# Altium PCB HRT_23D_EBS1.1.PcbDoc (part 2 of 2)
Units mil, origin at the board's own origin, x right, y up, seen from the top; angles counter-clockwise.
Board outline 4183.3 x 2955 mil, 2 copper layers (Top Layer, Bottom Layer); 109 components, 72 nets, 350 pads, 163 vias.
Unrouted connection lines stored in the file: 6.
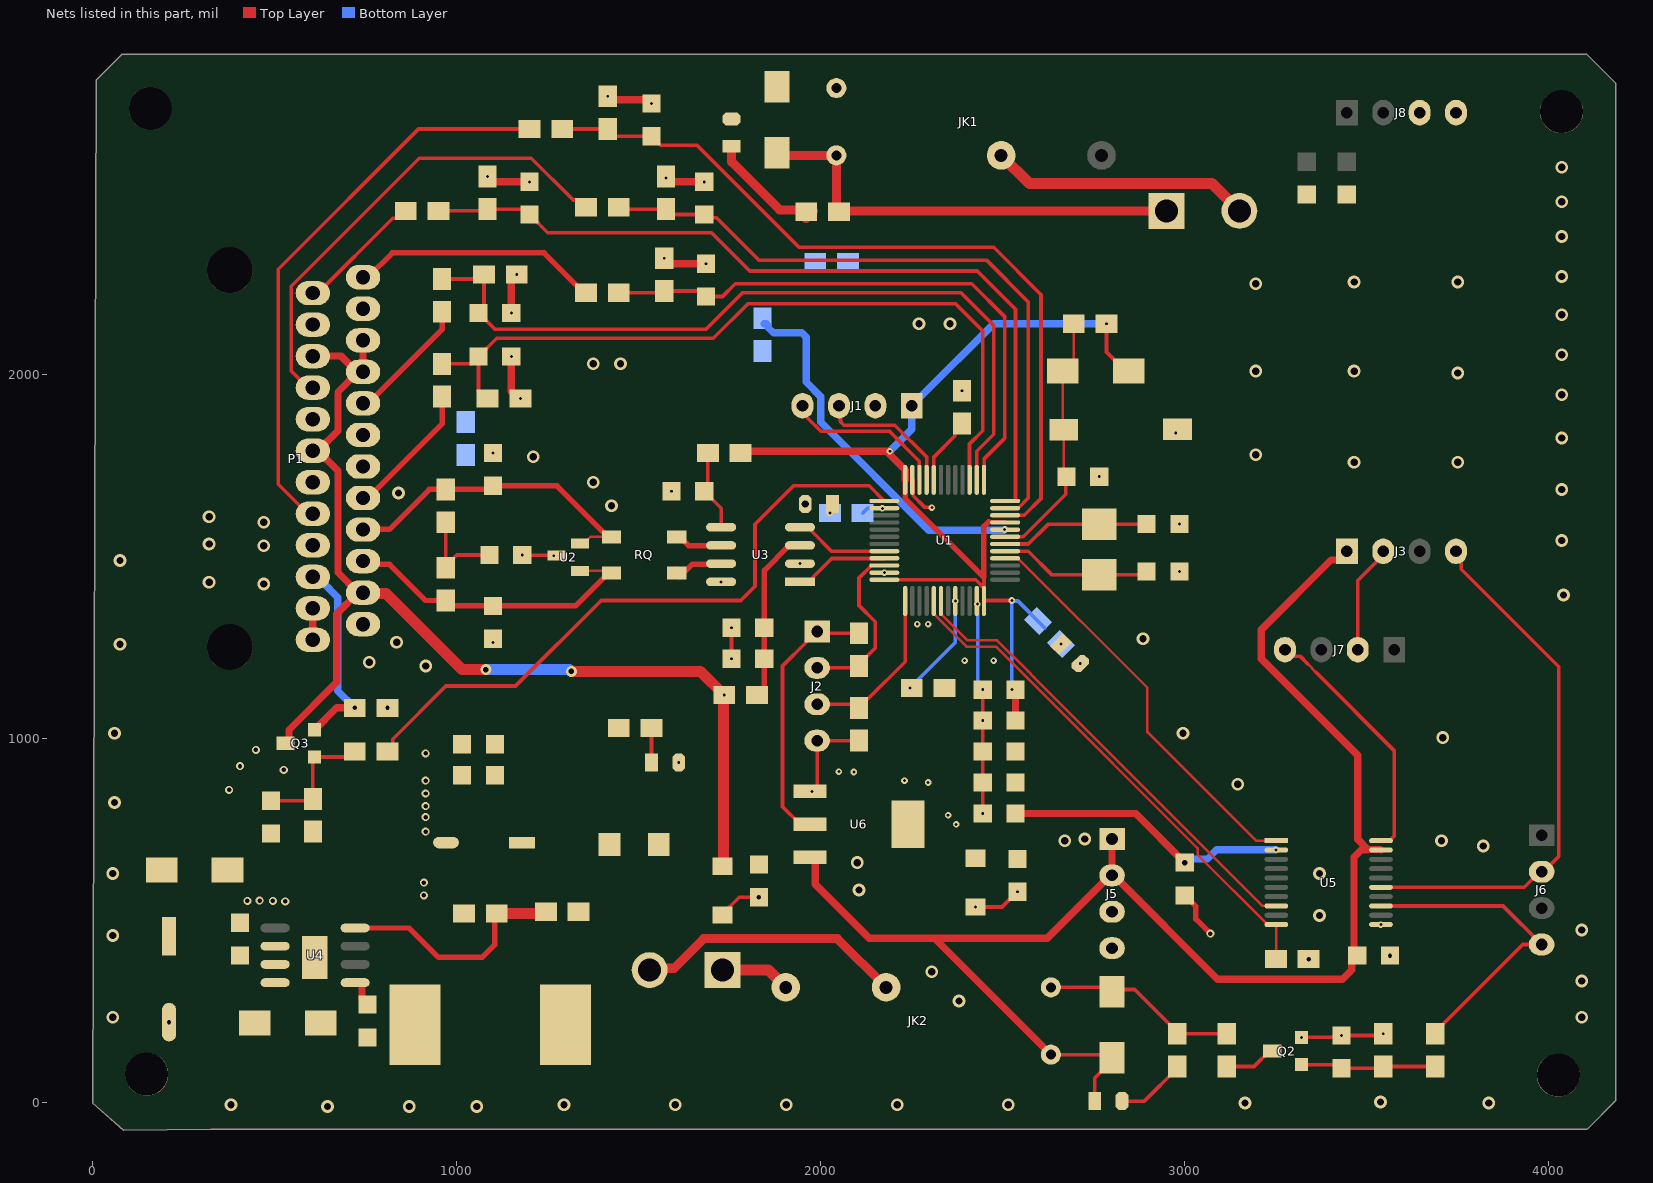
[diagram p2: the nets of this part, all layers, seen from the top]

## Via types
v1: diameter 35, hole 20, Top Layer to Bottom Layer, 74 vias
v2: diameter 18, hole 8, Top Layer to Bottom Layer, 63 vias
v3: diameter 22, hole 12, Top Layer to Bottom Layer, 23 vias
v4: diameter 30, hole 15, Top Layer to Bottom Layer, 3 vias

## Nets (pads, with @x,y where several pads share a name; then routed paths per layer and width w, separated by ;. In a path a pad name is that pad's centre, name@x,y a point inside that pad or via, vN(x,y) a via of type N, cw(c..) or ccw(c..) an arc to the next point about the centre after c; other vN are vias at no path point) (continued)
brake_control2_5V: J3.4 J6.2 U5.15 | length 1478.2
  Top Layer w10: U5.15@3538.74,592.2 3932.24,592.2 3975.04,635 J6.2@3980.04,635 3985.04,635 4027.04,677 4027.04,1197.96 3759.32,1465.68 3759.32,1482.15 3745,1496.47 J3.4@3745,1515
CAN_EXT_H: C14.1 P1.3 R12.2 RQ.4 U2.1 | length 868.2
  Top Layer w7: P1.3@742.83,1488.23 P1.3@751.94,1479.12 ; U2.1@1338.26,1461.4 1419.86,1461.4 RQ.4@1425.47,1455.79 RQ.4@1416.61,1455.79
  Top Layer w15: P1.3@751.94,1479.36 815.68,1479.36 915.04,1380 R12.2@970.04,1380 985.04,1365 1082.53,1365 C14.1@1100.04,1347.49 ; C14.1@1100.04,1365 1325.82,1365 RQ.4@1416.61,1455.79
CAN_EXT_L: C13.1 P1.4 R15.1 RQ.3 U2.2 | length 876
  Top Layer w7: C13.1@1090.04,1685 C13.1@1100.04,1695 ; U2.2@1338.26,1536.2 1349.08,1536.2 1367.88,1555 1415.82,1555 1424.68,1555 RQ.3@1425.47,1554.21
  Top Layer w15: P1.4@742.83,1575.08 815.12,1575.08 925.04,1685 R15.1@970.04,1685 C13.1@1090.04,1685 ; C13.1@1100.04,1695 1275.82,1695 RQ.3@1415.82,1555
CAN_RX_MCU: U1.32 U3.4 | length 261.8
  Top Layer w10: U3.4@1942.97,1581.22 1968.82,1581.22 1975.11,1574.93 1975.11,1569.89 2029.53,1515.47 U1.32@2174.62,1515.47
CAN_TX_MCU: U1.33 U3.1 | length 261.9
  Top Layer w10: U3.1@1942.97,1431.22 1972.5,1431.22 1979.31,1438.03 1979.31,1444.31 2030.47,1495.47 U1.33@2174.62,1495.47
EBS_error_3V3: R33.2 U1.25 | length 1795.6
  Top Layer w10: R33.2@810.04,965 824.18,979.14 824.18,999.14 970.04,1145 1161.85,1145 1396.85,1380 1780.04,1380 1819.5,1419.47 1819.5,1589.5 1925,1695 2132.89,1695 U1.25@2174.62,1653.27
EBS_error_5V: P1.15 Q3.E R37.2 | length 532.5
  Top Layer w10: v3(720.04,1085) R37.2@725.04,1085
  Top Layer w20: Q3.E@610.04,1025 670.04,1085 v3(720.04,1085)
  Bottom Layer w20: P1.15@620.82,1429.83 632.21,1429.83 673.72,1388.31 673.72,1131.31 v3(720.04,1085)
gas1: P1.5 R22.2 | length 376.3
  Top Layer w10: P1.5@742.83,1661.46 P1.5@756.61,1661.46
  Top Layer w15: P1.5@756.61,1661.69 960.04,1865.12 R22.2@960.04,1940
GAS1_ADC: C21.1 R22.1 R29.2 U1.15 | length 2136.4
  Top Layer w10: R22.1@960.04,2030 1040.04,2030 C21.1@1060.04,2050 ; R29.2@1085.04,1935 1080.04,1935 1060.04,1955 C21.1@1060.04,2050 ; U1.15@2408.93,1711.42 2408.93,1747.37 2408.62,1747.69 2408.62,1810.05 2445,1846.43 2445,2120 2370,2195 1800.04,2195 1705.04,2100 1110.04,2100 C21.1@1060.04,2050
gas2: P1.17 R49.2 | length 1567.3
  Top Layer w10: P1.17@605.04,1618.15 591.26,1618.15 510,1699.41 510,2290 895,2675 R49.2@1198.56,2675
GAS2_ADC: C32.1 R49.1 R50.2 U1.10 | length 2187.2
  Top Layer w10: R49.1@1283.93,2675 R50.2@1415,2675 1435,2655 C32.1@1535.01,2654.99 1555.01,2634.99 1555.87,2634.99 1560.86,2630 1660,2630 1940,2350 2475,2350 2605,2220 2605,1660 2559.24,1614.24 2506.8,1614.24 U1.10@2506.45,1613.9
GND: C1.1 C2.1 C3.1 C4.1 C5.1 C6.1 C7.1 C8.1 C9.1 C10.1 C11.1 C12.1 C13.2 C14.2 C15.2 C16.2 C22.2 C24.2 C25.2 C26.2 C27.2 C28.2 C29.2 C30.2 C31.2 D2.1 D5.1 D7.1 E1.2 E2.1 E3.1 E4.2 J1.2 J2.4 J5.3 J5.4 J8.3 J8.4 JK1.1 LED1.2 LED5.2 LED6.2 LED7.2 P1.1 P1.16 pad.1@148.74,78.82 pad.1@4025.76,75.98 pad.1@4034.56,2722.45 Q2.E R1.1 R4.1 R5.1 R30.1 R32.1 R34.1 R36.1 R37.1 R42.1 R43.1 R44.1 S1.2 U1.23 U1.35 U1.47 U2.3 U3.2 U3.8 U4.6 U4.9 U5.11 U6.1 | length 1757.1
  Top Layer w10: v2(1180.04,1505.01) 1181.25,1503.8 U2.3@1274.52,1503.8 ; E2.1@1725.04,516.14 E2.1@1728.97,516.14 ; E2.1@1728.97,518.07 1775.9,565 v3(1830.04,565) ; v2(1755.03,1219.99) v2(1755.03,1304.99) ; U6.1@1970.04,855.55 v2(1976.34,855.55) 1990.04,869.25 J2.4@1990.04,995 R4.1@2105.04,995 ; U1.23@2253.77,1711.42 2253.77,1667.52 2284.76,1636.53 2303.51,1636.53 v2(2305.04,1635) ; v2(2425.04,538.07) 2498.11,538.07 v2(2540.04,580) ; v2(2445.04,795) C3.1@2445.03,879.99 C5.1@2445.03,964.99 v2(2445.03,1049.99) v2(2445.03,1134.99) ; v2(3320.04,180) 3425.04,180 v2(3430.04,185) 3540.04,185 v2(3545.04,190)
  Top Layer w15: C15.2@3000.04,570 3030.04,540 3030.04,505 v3(3070.04,465)
  Bottom Layer w10: v2@2431.57,1371.53 2431.57,1148.46 v2(2445.03,1134.99)
  other v1: 645.04,-10 870.04,-10 1055.04,-10 380.04,-5 1295.04,-5 1600.04,-5 1905.04,-5 2210.04,-5 2515.04,-5 3165.04,-0.18 3835,0 3537.48,2.66 55.04,235 4090,235 2380.04,280 4090.04,335 2305.04,360 55.04,460 4090.04,475 3370.04,515 2105.04,585 55.04,630 3370.04,630 2100.04,660 3820.04,705.5 2670.04,720 3705.04,720 2725.04,725 60.04,825 3145.04,875 3708.38,1003.34 60.04,1015 2995.04,1015 915.04,1200 760.04,1210 75.04,1260 835.04,1265 2885.04,1275 4040,1395 470.04,1425 320.04,1430 75.04,1490 470.04,1530 320.04,1535 4035,1545 470.04,1595 320.04,1610 1425.04,1640 1957.6,1645 840.04,1675 4035,1685 1375.04,1705 3465,1760 3750,1760 1210.04,1775 3195,1780 4035.62,1826.21 4035,1945 3750,2005 3195,2010 3465,2010 1375.04,2030 1450,2030 4035,2055 2270.04,2140 2355.04,2140 4035,2165 3195,2250 3465,2255 3750,2255 4035,2270 4035,2380 4035,2475 4035,2570
  other v2: 3538.74,489.84 2371.79,765.07 2350.04,790 2295.04,880 2230.04,885 2090.89,908.89 2050.04,910 1610.03,934.99 2712.89,1207.11 2395.04,1215 2475.04,1215 1100.05,1264.99 2265.04,1315 2295.04,1315 2430.04,1370 1726.44,1431.22 2174.62,1456.42 2985.04,1460.01 1942.97,1481.22 1266.7,1502.93 2985.04,1590.01 1590.03,1679.99 2765.04,1720.01 1100.03,1785.01 2975.04,1840 2388.35,1956
  other v3: 210,221.89 3340.04,395 3563.51,404.66 529.15,553.61 425.04,555 458.82,555.4 495.04,555 910.04,570 910.04,605 915.04,745 915.04,785 915.04,815 915.04,850 375.04,860 915.04,885 525.04,915 405,925 915.04,960 448.19,969.78 810.04,1085
GND_A: C17.2 C18.2 C19.2 C20.2 C21.2 C32.2 P1.6 P1.7 P1.11 P1.18 P1.20 P1.23 R25.1 R26.1 R27.1 R28.1 R29.1 R42.2 R43.2 R44.2 R50.1 U1.8 | length 1768.5
  Top Layer w20: v2(1085.04,2545) 1100.03,2530.01 v2(1200.03,2530.01) ; v2(1150.04,2050.01) 1150.04,1954.99 1170.04,1935 v2(1175.04,1935) ; v2(1150.04,2170) 1150.04,2260 v2(1165.04,2275) ; R50.1@1417.5,2777.5 1417.5,2767.5 v2(1415,2765) 1425,2755 1525,2755 C32.2@1537,2743 ; v2(1570.04,2320) 1585.04,2305 v2(1685.04,2305) ; v2(1575,2540) R25.1@1575,2545 1590,2530 v2(1680,2530)
  Bottom Layer w10: P1.20@591.26,1877.99 P1.20@605.04,1877.99
  Bottom Layer w20: R43.2@1845,2140 1850,2140 1855,2135 1855,2130 1870,2115 1948.28,2115 1960,2103.28 1960,1980.01 2000.04,1939.97 2000.04,1869.97 2297.04,1572.97 2503.01,1572.97 v2(2505.04,1575)
  other v2: 1535,2745
LB_ADC: C19.1 R20.1 R27.2 U1.12 | length 2255.7
  Top Layer w10: R20.1@950.04,2450 1080.04,2450 R27.2@1085.04,2455 1185.04,2455 C19.1@1200.04,2440 1250.04,2390 1700,2390 1805,2285 2430,2285 2535,2180 2535,1654.1 2534.16,1653.27 U1.12@2506.45,1653.27
LB_oil: P1.24 R20.2 | length 348.4
  Top Layer w10: P1.24@605.04,2224.45 618.82,2224.45 824.37,2430 840.04,2430 R20.2@860.04,2450
LF_ADC: C17.1 R18.1 R25.2 U1.11 | length 1846.5
  Top Layer w10: R18.1@1445,2460 1450,2455 R25.2@1575,2455 1590,2440 C17.1@1680.01,2439.99 1689.15,2430.85 1714.15,2430.85 1830,2315 2455,2315 2570,2200 2570,1661.21 2542.38,1633.58 U1.11@2506.45,1633.58
LF_oil: P1.21 R18.2 | length 1328.9
  Top Layer w10: P1.21@605.04,1964.61 591.26,1964.61 545.79,2010.07 545.79,2243.28 897.51,2595 1205,2595 1320,2480 R18.2@1370.04,2480
MCU_LED: R46.2 U1.26 | length 59.8
  Bottom Layer w10: R46.2@2115,1620 2127.91,1632.91 v2(2169.47,1632.91)
NetC12_2: C12.2 R12.1 R15.2 | length 257.4
  Top Layer w10: R12.1@970.04,1470 R12.1@970.04,1475 ; R15.2@970.04,1595 R12.1@970.04,1475 ; C12.2@1090.04,1505 1000.04,1505 R12.1@970.04,1475
NetC22_1: C22.1 Q2.B R31.1 R32.2 | length 374.2
  Top Layer w10: Q2.B@3320.04,105 3420.04,105 C22.1@3430.04,94.99 3540.03,94.99 R32.2@3545.04,100 R31.1@3688.04,100
NetC23_1: C23.1 U4.1 | length 84.3
  Top Layer w20: U4.1@721.28,330.45 738.19,330.45 740.04,328.6 740.04,285 C23.1@755.04,270
NetC23_2: C23.2 D5.2 L1.1 U4.8
NetC25_1: C25.1 C26.1 E1.1 L1.2 R35.2 R38.2 R51.2
NetC29_1: C29.1 Q3.B R33.1 R36.2 | length 350.4
  Top Layer w10: C29.1@490.03,830.01 600.04,830.01 R36.2@605.04,835 605.04,945 Q3.B@610.04,950 705.04,950 R33.1@720.04,965
NetD4_1: D4.1 JK2.2 R23.2 R24.1 | length 538.5
  Top Layer w10: JK2.2@2632.24,317.52 2788.07,317.52 2794.05,311.54 2862.5,311.54 2979.04,195 R23.2@2979.04,190 R24.1@3115.04,190
NetLED1_1: LED1.1 R7.1 | length 342.9
  Top Layer w25: LED1.1@1755,2627.59 1755,2585 1887.14,2452.86 1955,2452.86 R7.1@1960,2447.86 ; R7.1@1960,2429.35 R7.1@1960,2447.86 ; R7.1@1979.35,2449.35 1977.86,2447.86 R7.1@1960,2447.86
NetLED3_2: LED3.2 R23.1 | length 193.9
  Top Layer w10: LED3.2@2827.43,5 2889.04,5 2979.04,95 R23.1@2979.04,100
NetLED5_1: LED5.1 R45.1
  other v2: 2660,1260
NetLED6_1: LED6.1 R46.1 | length 28.1
  Top Layer w10: v2(2025,1620) 2025,1637.6 LED6.1@2032.4,1645
NetLED7_1: LED7.1 R51.1 | length 95.1
  Top Layer w10: R51.1@1535,1030 1535,935.2 LED7.1@1535.2,935
NetQ2_C: Q2.C R24.2 | length 142.8
  Top Layer w10: R24.2@3115.04,100 3190.04,100 3233.04,143 Q2.C@3240.04,143
NetR1_2: R1.2 U1.20 | length 186.7
  Top Layer w10: U1.20@2310.82,1711.42 2310.82,1774.05 2368.35,1831.58 2368.35,1846 R1.2@2388.35,1866
NetR5_2: R5.2 U1.44 | length 290.2
  Bottom Layer w10: v2(2245.04,1140) 2369.56,1264.53 v2(2369.56,1378.58)
NetR34_2: R34.2 R35.1 U4.4 | length 644.1
  Top Layer w15: U4.4@721.28,480.45 869.59,480.45 950.04,400 1070.04,400 1104.18,434.14 1104.18,514.14 R34.2@1110.04,520
  Top Layer w30: R34.2@1110.04,520 R35.1@1235.47,520
NetRQ_1: RQ.1 U3.7 | length 148.5
  Top Layer w7: RQ.1@1600.04,1470 1609.43,1460.61 1613.86,1456.18 1614.25,1455.79 RQ.1@1613.46,1455.79 ; U3.7@1725.22,1480 U3.7@1726.44,1481.22
  Top Layer w15: RQ.1@1613.46,1445.79 1647.67,1480 U3.7@1725.22,1480
NetRQ_2: RQ.2 U3.6 | length 132.4
  Top Layer w7: RQ.2@1604.6,1554.21 RQ.2@1613.46,1554.21 ; U3.6@1725.22,1530 U3.6@1726.44,1531.22
  Top Layer w15: RQ.2@1613.46,1554.21 1637.67,1530 U3.6@1725.22,1530
OSCIN: C1.2 U1.5 X1.1 | length 418.8
  Top Layer w10: U1.5@2506.45,1515.16 2569.88,1515.16 2633.94,1451.1 X1.1@2765.04,1451.1 2886.14,1451.1 C1.2@2895.04,1460
OSCOUT: C7.2 U1.6 X1.2 | length 411.3
  Top Layer w10: U1.6@2506.45,1535.16 2570.19,1535.16 2623.93,1588.9 X1.2@2765.04,1588.9 2893.93,1588.9 C7.2@2895.04,1590
RB_ADC: C20.1 R21.1 R28.2 U1.14 | length 2186
  Top Layer w10: R21.1@960.04,2263.01 1063.04,2263.01 R28.2@1075.04,2275 1075.04,2185 C20.1@1060.03,2169.99 1105.02,2125 1685.04,2125 1785.04,2225 2385,2225 2475,2135 2475,1836.65 2428.62,1790.27 U1.14@2428.62,1711.73
RB_oil: P1.8 R21.2 | length 377.8
  Top Layer w10: P1.8@742.83,1921.3 P1.8@756.61,1921.3 ; R21.2@940.04,2153.01 R21.2@960.04,2173.01
  Top Layer w15: P1.8@756.61,1921.54 960.04,2124.96 R21.2@960.04,2173.01
RES2-: J9.2 JK1.3 | length 717.6
  Top Layer w30: JK1.3@2495.55,2602.48 2573.03,2525 3075,2525 J9.2@3150,2450
RESET: C8.2 D1.1 R2.1 S1.1 U1.7 | length 699.1
  Top Layer w7: C8.2@2672.9,1717.87 2667.72,1723.05 S1.1@2667.72,1849.21 2665.04,1851.9 D1.1@2665.04,2010 2695.04,2040 R2.1@2695.04,2140
  Top Layer w10: U1.7@2506.45,1554 2513.73,1554 2514.89,1555.16 2556.3,1555.16 2672.9,1671.76 C8.2@2672.9,1717.87
RF_ADC: C18.1 R19.1 R26.2 U1.13 | length 1592
  Top Layer w10: R19.1@1445.04,2225 1565.04,2225 R26.2@1570.04,2230 1670.04,2230 C18.1@1685.04,2214.99 1730.03,2214.99 1765.04,2250 2415,2250 2505,2160 2505,1825.15 2448.62,1768.76 U1.13@2448.62,1711.42
RF_oil: P1.12 R19.2 | length 685.5
  Top Layer w10: P1.12@742.83,2267.76 P1.12@756.61,2267.76 ; R19.2@1350.04,2225 R19.2@1355.04,2225
  Top Layer w15: P1.12@756.61,2267.99 823.62,2335 1240.04,2335 R19.2@1350.04,2225
SC_out: D2.2 J9.1 JK1.2 R7.2 | length 1225.4
  Top Layer w25: D2.2@1880,2609.45 1886.97,2602.48 JK1.2@2042.8,2602.48 2042.8,2450 J9.1@2950,2450
SDC_AS_3V3: U1.42 U5.8 | length 1288.8
  Top Layer w7: U1.42@2330.19,1378.58 2330.19,1343.26 2403.07,1270.38 2484.3,1270.38 2570.18,1184.5 2584.54,1170.15 3213.66,541.02 U5.8@3251.34,541.02
SDC_AS_5V: J6.4 R31.2 U5.13 | length 881.6
  Top Layer w10: U5.13@3538.74,541.02 3874.01,541.02 J6.4@3980.04,435 3975.04,435 3928.04,435 3688.04,195 R31.2@3688.04,190
SDC_IN: J4.2 JK2.3 | length 740.6
  Top Layer w20: J4.2@1530.04,365 J4.2@1534.99,369.96
  Top Layer w25: J4.2@1534.99,369.96 1597.1,369.96 1678.43,451.29 2045.72,451.29 JK2.3@2179.49,317.52
SDC_OUT: J4.1 JK2.4 | length 193.5
  Top Layer w30: J4.1@1730.04,365 1856.41,365 JK2.4@1903.89,317.52
shutdown_circuit_5V: J3.2 J7.2 | length 299
  Top Layer w10: J7.2@3475.04,1245 3475.04,1435.04 3545,1505 J3.2@3545,1515
SWCLK: J2.3 R4.2 U1.37 | length 468.1
  Top Layer w10: J2.3@1990.04,1095 2095.04,1095 R4.2@2105.04,1085 2105.04,1090 2125.04,1110 2130.04,1110 2231.77,1211.73 U1.37@2231.77,1378.58
SWDIO: J2.2 R3.1 U1.34 | length 443.4
  Top Layer w10: J2.2@1990.04,1195 2100.04,1195 R3.1@2105.04,1200 2105.04,1205 2149.66,1249.62 2149.66,1321.59 2105.04,1366.21 2105.04,1441.88 U1.34@2138.63,1475.47
TXS_Control: R30.2 U1.41 U5.10 | length 1434
  Top Layer w7: U1.41@2310.51,1378.58 2310.51,1343.15 2400.37,1253.29 2481.6,1253.29 2570.54,1164.35 2570.54,1163.81 3035.53,698.82 3035.53,681.06 3226.74,489.84 U5.10@3251.34,489.84 R30.2@3251.34,396.3
USART3_RX: J1.4 U1.22 | length 438
  Top Layer w10: J1.4@1942.75,1902.25 1944.25,1902.25 1964.34,1882.17 1964.34,1880.66 2000.43,1844.57 2188.8,1844.57 2270.82,1762.55 U1.22@2270.82,1711.42
USART3_TX: J1.3 U1.21 | length 385.3
  Top Layer w10: J1.3@2050.04,1915 2054.14,1910.89 2054.14,1870.86 2063.43,1861.57 2203.43,1861.57 2290.82,1774.18 U1.21@2290.82,1711.42
VCC_3V3: C2.2 C3.2 C4.2 C5.2 C6.2 C15.1 C28.1 D1.2 E3.2 J1.1 J2.1 R2.2 R3.2 R16.1 R45.2 U1.9 U1.24 U1.36 U1.48 U5.2 U6.2 | length 4353.1
  Top Layer w10: U6.2@1970.04,765 1943.46,765 1895.04,813.43 1895.04,1200 1960.04,1265 1960.04,1270 1985.04,1295 J2.1@1990.04,1295 1995.04,1290 R3.2@2105.04,1290 ; U1.36@2210.04,1436.73 2425.59,1436.73 2448.3,1414.02 2448.3,1443.37 ; U1.48@2449.73,1380 v2(2525.04,1380) ; 2461.04,1596 U1.9@2506.45,1596 ; v2(2785.04,2140) 2785.04,2062.24 2837.28,2010 D1.2@2846.14,2010
  Top Layer w15: U1.24@2231.77,1711.42 2231.77,1659.9 2448.3,1443.37 2448.3,1583.27 2461.04,1596
  Top Layer w20: R16.1@1780.04,1785 1784.89,1789.85 v2(2189.89,1789.85) ; v2@2185.43,1785 2231.77,1738.66 U1.24@2231.77,1711.42 ; C6.2@2535.04,795.01 2745.03,795.01 2865.04,795 v4(3000.03,660.01) ; C2.2@2535.04,1050 C4.2@2535.04,1135
  Bottom Layer w10: v2(2525.04,1135) v2(2525.04,1380) 2526.57,1378.47 2541.53,1378.47 R45.2@2615.46,1304.54
  Bottom Layer w20: v2(2189.89,1789.85) 2250.04,1850 J1.1@2250.04,1915 2250.04,1920 2270.04,1940 2275.04,1940 2475.04,2140 v2(2785.04,2140) ; 2985.33,672 2995.41,661.92 2997.32,661.92 3000.03,664.63 3002.74,661.92 3004.65,661.92 3012.74,670.01 3062.21,670.01 3087.2,695 v2(3250.04,695)
VCC_3V3_CAN: C11.2 R16.2 U3.5 | length 227.1
  Top Layer w10: R16.2@1690.04,1785 1690.04,1690 C11.2@1680.04,1680 1726.44,1633.6 U3.5@1726.44,1581.22
VCC_5V: C16.1 C27.1 D4.2 E2.2 J3.1 J5.1 J5.2 JK2.1 LED3.1 P1.2 P1.9 P1.10 P1.19 P1.22 Q3.C R17.1 R38.1 U5.19 U6.3 | length 7235
  Top Layer w10: P1.2@729.05,1401.61 P1.2@742.83,1401.61 ; E2.2@1721.1,650 E2.2@1732.54,661.44 ; U6.3@1943.46,674.45 U6.3@1970.04,674.45 ; JK2.1@2632.24,132.48 2792.01,132.48 2796.02,128.46 2796.02,111.57 2752.63,68.18 LED3.1@2752.63,5
  Top Layer w15: C16.1@3464.6,413.56 C16.1@3473.51,404.65
  Top Layer w20: Q3.C@530.04,988 531.25,988 539.25,996 539.25,1024.21 670.97,1155.93 670.97,1343.77 P1.2@729.05,1401.85 ; P1.19@605.04,1791.38 P1.19@618.82,1791.38 ; P1.22@605.04,2051.22 682.61,2051.22 725.91,2007.91 P1.9@729.05,2007.91 ; P1.2@729.05,1401.61 673.93,1456.73 673.93,1736.26 P1.19@618.82,1791.38 ; P1.10@742.83,2094.53 P1.9@742.83,2007.91 P1.9@729.05,2007.91 ; U6.3@1985.04,665.75 1976.34,674.45 U6.3@1970.04,674.45 1985.04,659.45 1985.04,600.27 2133.25,452.05 2312.67,452.05 ; JK2.1@2632.24,132.48 2312.67,452.05 ; J5.1@2800.04,725 J5.2@2800.04,625 ; J3.1@3445,1515 3445,1511.29 3425,1491.29 3401.29,1491.29 3210,1300 3210,1220 3475,955 3475,724.52 3503.25,696.27 3537.04,696.27 U5.19@3538.74,694.57 ; C16.1@3464.6,413.56 3464.6,674.6 3484.57,694.57 3503.25,694.57 ; C16.1@3473.51,404.65 3458.51,389.65 3458.51,365.19 3433.32,340 3090.04,340 2805.04,625 J5.2@2800.04,625 ; P1.19@618.82,1791.38 673.93,1846.5 673.93,1952.8 P1.9@729.05,2007.91 ; 2312.67,452.05 2622.09,452.05 2795.04,625 J5.2@2800.04,625
  Top Layer w30: P1.2@745.15,1399.54 805.5,1399.54 1015.04,1190 v4(1080.04,1190) ; v4(1315.04,1185) 1670.04,1185 v2(1735.04,1120) 1732.54,1117.5 1732.54,661.44 1732.54,652.5 E2.2@1730.04,650
  Bottom Layer w30: P1.2@742.83,1401.85 P1.2@745.15,1399.54 ; v4(1080.04,1190) 1310.04,1190 v4(1315.04,1185)
VCC_5V_CAN: C9.2 C10.2 R17.2 U3.3 | length 477.4
  Top Layer w10: R17.2@1825.04,1120 R17.2@1845.04,1140 ; U3.3@1913.45,1531.22 U3.3@1942.97,1531.22
  Top Layer w15: R17.2@1845.04,1140 C9.2@1845.04,1220 C10.2@1845.04,1305 1845.04,1462.81 U3.3@1913.45,1531.22
VCC_24V: C24.1 D7.2 E4.1 P1.13 P1.14 U4.7 | length 86.6
  Top Layer w20: P1.13@605.04,1271.69 P1.14@605.04,1358.31
watchdog_3V3: U1.4 U5.1 | length 1137.4
  Top Layer w7: U1.4@2506.45,1495.79 2541.89,1495.79 2897.42,1140.26 2897.42,1018.66 3195.92,720.16 U5.1@3251.34,720.16
watchdog_5V: J7.4 U5.20 | length 691.5
  Top Layer w7: J7.4@3275.04,1245 3284.38,1245 J7.4@3302.11,1227.27 ; 3337.78,1205.63 3337.78,1205.21 3360.33,1182.66 3360.42,1182.57 ; U5.20@3538.74,720.16 U5.20@3562.49,720.16
  Top Layer w10: J7.4@3302.11,1227.27 3316.14,1227.27 3337.78,1205.63 ; 3360.42,1182.57 3574.75,968.24 3574.75,732.41 U5.20@3562.49,720.16
pads on no net: P1.25 P1.26 U1.1 U1.16 U1.17 U1.18 U1.19 U1.27 U1.28 U1.29 U1.30 U1.31 U1.38 U1.39 U1.40 U4.2 U4.3 U4.5 U5.9 U5.12

## Polygon pours and split planes (outlines as drawn)
GND on Top Layer "GND_L01_P034" (solid, remove dead copper, pour order 34): 0,2799.96 0,0 72.76,-72.76 4104.56,-72.76 4183.3,5.98 4183.3,2801.26 4100.04,2884.53 85.07,2885.03
VCC_5V on Top Layer "VCC_5V_L01_P027" (solid, pour order 27): 1490.04,830 1495.04,825 1495.04,615 1510.04,600 2040.04,600 2040.04,710 1720.04,710 1720.04,735 1625.04,830
actuator_IN on Top Layer "ACTUATOR_IN_L01_P021" (solid, pour order 21): 3583.74,2801.26 3595,2790 3595,2630 3505,2540 3130,2540 3085,2570 3070,2570 2710,2570 2710,2660 2715,2665 3345,2665 3390,2710 3390,2801.26
NetC25_1 on Top Layer "NETC25_1_L01_P026" (solid, pour order 26): 1080.04,1120 1080.04,940 1080.04,570 1255.04,570 1295.04,530 1295.04,475 1180.04,475 1085.04,380 1085.04,305 1395.04,305 1410.04,320 1410.04,585 1475.04,650 1475.04,1060 1415.04,1120
GND on Top Layer "GND_L01_P025" (solid, pour order 25): 1045.04,1120 1045.04,540 1070.04,515 1065.04,510 1065.04,445 960.04,445 940.04,465 940.04,505 680.04,505 680.04,875 710.04,905 870.04,905 870.04,1020 970.04,1120
NetC23_2 on Top Layer "NETC23_2_L01_P022" (solid, pour order 22): 380.04,347.1 540.04,347.1 540.04,135 680.04,135 740.04,228.66 1130.04,228.66 1130.04,63.66 430.03,63.66 380.04,113.66
VCC_24V on Top Layer "VCC_24V_L01_P023" (solid, pour order 23): 483.65,1290.95 498.65,1305.95 673.65,1305.95 683.65,1295.95 678.65,1290.95 678.65,1225.95 613.65,1225.95 315.04,927.34 315.04,430 435.04,430 465.04,400 539.33,400 540.71,360.95 134.08,360.95 105.04,390 105.04,1110 135.99,1140.95 385.99,1140.95 483.65,1238.61
GND on Top Layer "GND_L01_P024" (solid, pour order 24): 327.9,789.71 327.9,469.71 352.9,444.71 440.33,444.71 470.04,415 559.59,415 554.77,145.26 560.33,139.71 679.66,139.71 679.66,789.71
VCC_3V3 on Top Layer "VCC_3V3_L01_P028" (solid, pour order 28): 1925.04,805 1925.04,725 2135.04,725 2220.04,640 2585.04,640 2620.04,675 2620.04,1090 2485.04,1090 2485.04,730 2355.04,730 2320.04,765 2320.04,850 2160.04,850 2115.04,805
NetC23_2 on Top Layer "NONET_L-01_P-001" (solid, pour order 29): 795.04,350 1025.04,350 1130.04,245 1130.04,165 810.04,165 795.04,150
NetC25_1 on Top Layer "NONET_L-01_P-001" (solid, pour order 30): 1085.04,305 1145.04,245 1145.04,105 1230.04,105 1230.04,315 1240.04,325 1095.04,325
GND on Bottom Layer "GND_L02_P033" (solid, pour order 33): 2025.04,2875 2025.04,2135 1990.04,2100 1315.04,2100 1315.04,1960 1190.04,1835 865.04,1835 865.04,1795 813.34,1743.31 790.04,1700 725.04,1675 690.04,1660 635.04,1660 255.04,1660 10.04,1660 10.04,0 82.79,-72.76 4104.56,-72.76 4183.3,5.98 4183.3,2801.26 4104.56,2880 4099.56,2875
GND_A on Bottom Layer "GND_A_L02_P031" (solid, pour order 31): 2025.04,2875 2025.04,2135 1315.04,2135 1315.04,1960 1190.04,1835 865.04,1835 865.04,1795 730.04,1660 10.04,1660 10.04,2810 80.04,2880 330.04,2875

## Keep-outs
Keep-Out Layer:
  lines w7: 8.07,2808.03 -1.96,1.73 85.04,-75 325.04,-72.76
  lines w10: 8.07,2808.03 80.04,2880 4104.56,2880 4183.3,2801.26 4183.3,5.98 4104.56,-72.76 325.04,-72.76

## Other copper
Top Layer:
  pour cut-out: 3495.43,1290.26 3525.3,1290.26 3520.42,1285.39 3520.42,1250 3515,1250 3510,1255
  pour cut-out: 1992.62,1825.73 1995,1823.36 1995,1810 2005,1810 2010,1815 2000.82,1824.18 2000.43,1824.18
  pour cut-out: 2714.5,1254.32 2850.56,1118.26 2850.56,1020.39 2845.94,1015.78 2661.8,1199.91 2661.8,1201.63
  pour cut-out: 1920,1680 1925.39,1674.61 2064.9,1674.61 2064.9,1604.59 2062.15,1601.84 2055.73,1608.26 1913.45,1608.26 1913.45,1643.45 1915,1645
  pour cut-out: 1782.09,1474.22 1782.87,1475 1800,1475 1800,1455 1795.87,1450.87 1765.82,1450.87 1765.82,1464.18 1765,1465
  pour cut-out: 1720.03,1254.99 1790.03,1254.99 1790.03,1184.99 1720.03,1184.99
  pour cut-out: 1720.03,1339.99 1720.03,1269.99 1790.03,1269.99 1790.03,1339.99
  pour cut-out: 1135.04,100 1305.04,100 1305.04,90 1135.04,90
  pour cut-out: 1925.04,755 1925.04,725 1900.33,725 1900.04,725.29 1900.04,773.05 1902.74,773.05 1904.66,774.97 1929.04,750.58
  pour cut-out: 653.1,357.31 650.04,354.24 650.04,320 673.81,311.19 680.04,306.71 673.81,356.25
  pour cut-out: 652.61,425.7 652.61,499.3 669.07,504.03 679.66,504.03 679.66,429.63 675.04,425 674.34,425.7
  pour cut-out: 793.29,1456.42 793.29,1451.34 783.79,1441.85 795.84,1429.8 816.58,1429.8 1114.22,1132.15 1114.22,1116.54 1317.11,1319.43 1314.48,1322.06 1137.1,1322.06 1130.04,1315 1130.03,1315.01 1060.03,1315.01 1060.03,1342.06 1010.04,1342.06 1010.04,1325 1005.04,1320 990.04,1335 930.04,1335 930.04,1350 920.04,1360 918.84,1358.81 903.79,1358.81 806.18,1456.42 803.42,1453.66 791.18,1453.66
  pour cut-out: 2245.04,1425 2250.04,1420 2300.04,1420 2300.04,1342.89 2293.08,1335.93 2291.96,1337.05 2247.99,1337.05 2240.04,1345 2245.04,1350
  pour cut-out: 2025.31,826.85 2025.04,826.57 2025.04,815 1951.5,815 1946.21,820.29 1955.04,829.12 1955.04,830 2010.04,830
  pour cut-out: 1465.04,620 1468.41,620 1479.74,608.67 1479.74,626.54 1477.04,626.54 1475.12,628.46 1461.67,615 1460.04,615
  pour cut-out: 1915.48,826.85 1915.48,821.82 1922.04,815.26 1927.08,820.29 1965.34,820.29 1965.6,820.56 1965.04,821.13 1965.04,826.85
  pour cut-out: 3300.04,390 3294.54,390 3293.89,389.35 3295.04,388.2 3295.04,365.49 3300.04,365.49
  pour cut-out: 3475.16,669.08 3465.53,659.44 3465.53,445.08 3465.95,444.65 3513.51,444.65 3513.51,483.51 3497.36,499.65 3500.04,502.32 3500.04,665 3494.82,665 3490.75,669.08
  pour cut-out: 664.95,425.42 674.62,425.42 675.04,425 673.81,423.77 673.81,356.25 654.16,356.25 652.05,358.36 652.61,358.92 652.61,425.7
  pour cut-out: 915.42,2047.9 907.93,2047.9 780.04,1920 780.04,1730 792.48,1730 937.1,1874.62 920.04,1891.68 920.04,2045.98
  pour cut-out: 833.12,2312.06 803.83,2282.77 803.83,2247.8 783.79,2227.76 783.79,2031.22 810.02,2004.99 925.04,2120 925.04,2303.01 915.98,2312.06

## Silkscreen, mask and mechanical layers (free items; w line width, h text height)
Top Overlay:
  drawing of 2612 lines, arcs and shapes, not listed
  text "1.3.1" at 355,2575 h45
  text "by thekillingjar" at 580,2575 h45
  text "EBS" at 190,2555 h110
  text "LB" at 695,2375 h40
  text "RF" at 1750,2335 h40
  text "RB" at 820,2255 h40
  text "GND" at 2170,2005 h40 r90
  text "3V3" at 2270,2005 h40 r90
  text "U3_RX" at 1953.34,1995 h40 r90
  text "U3_TX" at 2063.34,1985 h40 r90
  text "GAS1" at 1360,1955 h40
digitalboard:
  lines w10: 2750.04,375 2850.04,375 2850.04,775 2750.04,775 2750.04,375 ; 3225.04,1200 3625.04,1195 3625.04,1295 3225.04,1295 3225.04,1200 ; 3930.04,385 4030.04,385 4030.04,785 3930.04,785 3930.04,385
Mechanical 3:
  circle w10: c4034.56,2722.45 r61.12
  lines w10: 3077.5,1372.5 3080,1370 ; 4095,2880 4100,2880

## Text inside footprints (layer, text, board x,y; h text height)
P1: Top Overlay "JAE MX34_24" at 170.04,1909.45 h31.5 r270